# Altium PCB LoRaWAN_Node_Ver2.PcbDoc (continued)
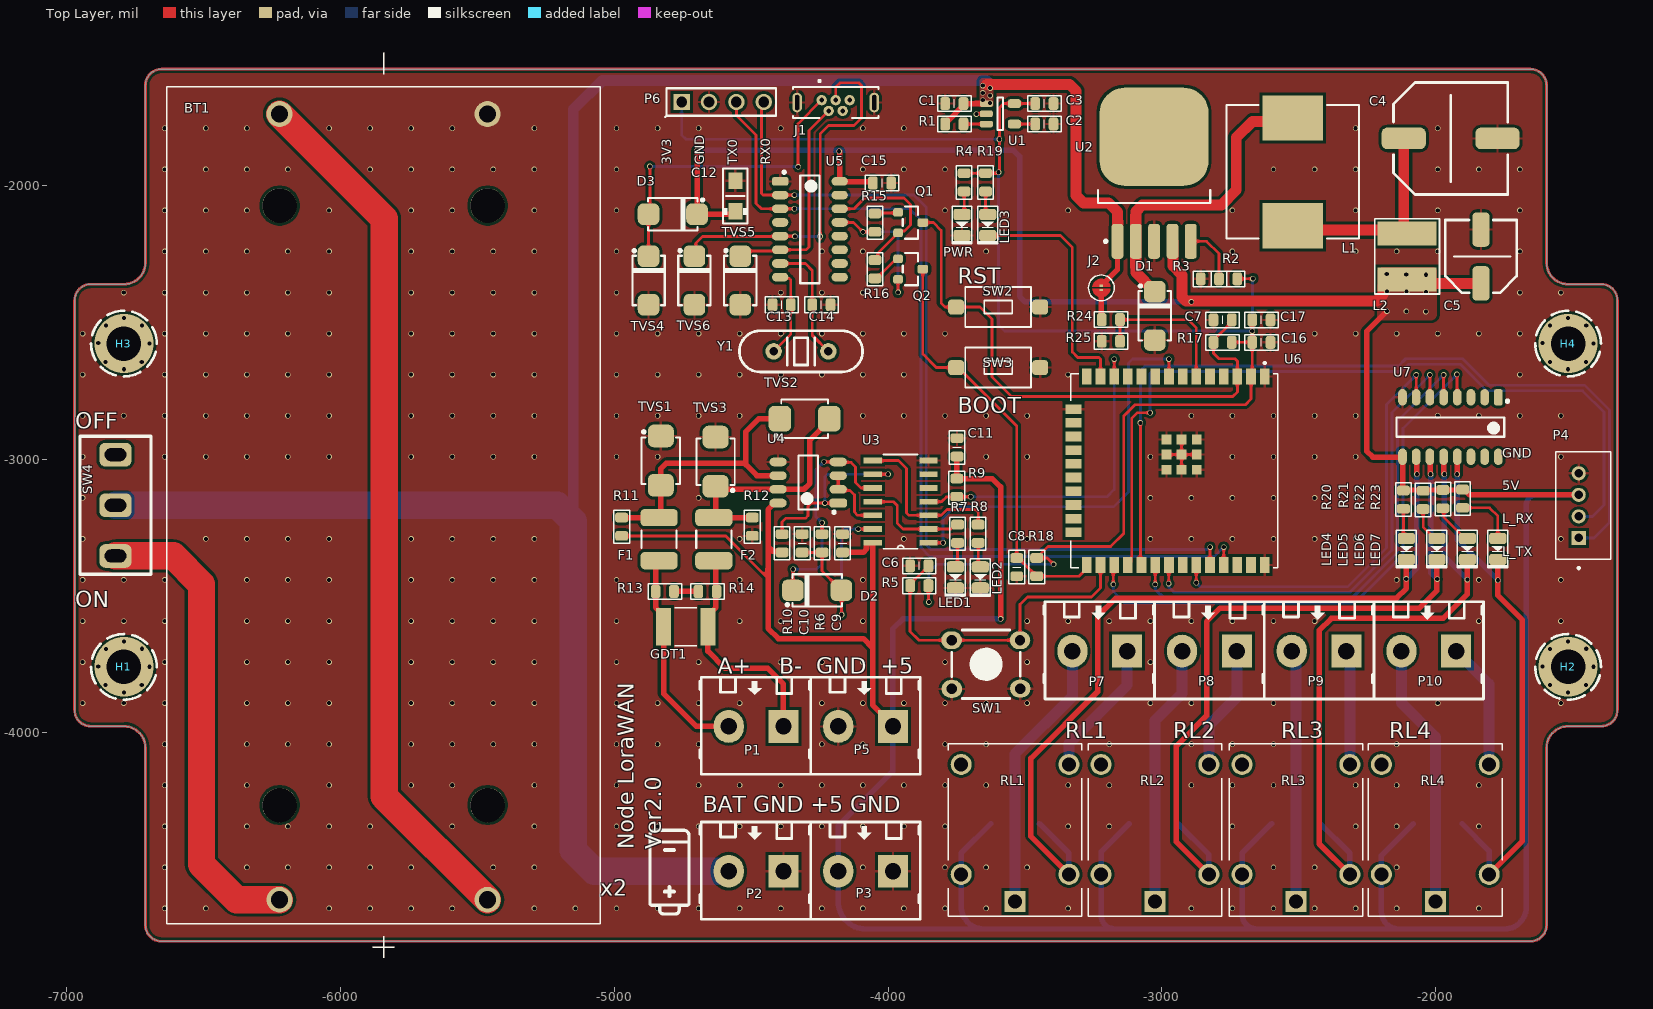
[diagram p0: Top Layer view]
## Footprints (in the part's own frame and the unit in brackets; to place one, negate y for a bottom-side part, rotate by r counter-clockwise, add the part's x,y. Pads: shape width x height; smd on the part's side, far side on the other; paste and mask are expansions set on the pad) (continued)
  silkscreen extent -10.1,-9.6 9,9.6, body extent -9,-9.6 9,9.6, height 3.35

## Part data
BT1: "Battery Holder (Open) 18650 2 Cell PC Pin", Package=None, Availability=Unavailable, MP=BK-18650-PC4, Price=None
C1 C2 C3 C6 C7 C8 C9 C10 C11 C13 C14 C15 C16 C17: library part "Capacitor NP", "Capacitor non-pol"
C4 C5 C12: library part Capacitor, "Capacitor pol"
D1: "Schottky Diode", Code_JEDEC=DO-214-AA, LatestRevisionDate=17-Jul-2002, LatestRevisionNote="Re-released for DXP Platform.", PackageReference=SMB, Published=8-Jun-2000, Publisher="Altium Limited"
D2 D4 D5 D6 D7: "Default Diode", Code_JEDEC=DO-214-AB, LatestRevisionDate=17-Jul-2002, LatestRevisionNote="Re-released for DXP Platform.", PackageReference=SMC, PackageVersion=Sep-1996, Published=8-Jun-2000, Publisher="Altium Limited"
D3: library part Diode, "Default Diode", Code_JEDEC=DO-214-AB, LatestRevisionDate=17-Jul-2002, LatestRevisionNote="Re-released for DXP Platform.", PackageReference=SMC, PackageVersion=Sep-1996, Published=8-Jun-2000, Publisher="Altium Limited"
F1 F2: library part Fuse, "Fuse"
H1 H2 H3 H4: "Header, 1-Pin", LatestRevisionDate=17-Jul-2002, LatestRevisionNote="Re-released for DXP Platform.", Publisher="Altium Limited"
J1: "USB - micro B USB 2.0 Receptacle Connector 5 Position Through Hole", Package=None, Availability=Unavailable, MP=USB3131-30-0230-A_REVB, Price=None
L1 L2: library part Inductor, "Inductor"
LED1 LED2 LED3 LED4 LED5 LED6 LED7 PWR: "Typical LED"
P1 P2 P3 P5 P7 P8 P9 P10: "Header, 2-Pin", LatestRevisionDate=17-Jul-2002, LatestRevisionNote="Re-released for DXP Platform.", Publisher="Altium Limited"
P4: Package=None, Arrow_Electronics-Purchase-URL=https://snapeda.com/shop?store=Arrow+Electronics&id=583576, Availability=Good, Check_prices=https://www.snapeda.com/parts/110990030/Seeed%20Technology%20Co.,%20Ltd/view-part/583576/?ref=eda, MF="Seeed Technology", Mouser-Purchase-URL=https://snapeda.com/shop?store=Mouser&id=583576, MP=110990030, Price=None, SnapEDA_Link=https://www.snapeda.com/parts/110990030/Seeed%20Technology%20Co.,%20Ltd/view-part/583576/?ref=snap
P6: "Header, 4-Pin"
Q1 Q2: library part "Transistor NPN", "NPN Bipolar Transistor"
R1 R2 R3 R4 R5 R6 R7 R8 R9 R10 R11 R12 R13 R14 R15 R16 R17 R18 R19 R20 R21 R22 R23 R24 R25: library part Resistor, "Resistor", LatestRevisionDate=17-Jul-2002, LatestRevisionNote="Re-released for DXP Platform.", PackageReference=AXIAL-0.3, Published=8-Jun-2000, Publisher="Altium Limited"
RL1 RL2 RL3 RL4: Package=Package, Check_prices=https://www.snapeda.com/parts/SRA-05VDC-CL/Songle+Relay/view-part/?ref=eda, MF="Songle Relay", MP=SRA-05VDC-CL, SnapEDA_Link=https://www.snapeda.com/parts/SRA-05VDC-CL/Songle+Relay/view-part/?ref=snap
SW1: library part "SW SPST-4", "Tact switch 4 pin"
SW2 SW3: library part "SW SPST", "Tact switch 2 pin"
TVS1 TVS2 TVS3 TVS4 TVS5 TVS6: library part "Diode TVS Bi-Dir", "Bi-directional TVS Diode", LatestRevisionDate=17-Jul-2002, LatestRevisionNote="Re-released for DXP Platform.", PackageReference=DIODE-0.7, Published=8-Jun-2000, Publisher="Altium Limited"
U1: "LP2985 150-mA, Low-noise 30 μV(RMS) With 10-nF Bypass Capacitor, Low-dropout Regulator 280mV@150mA, With Shutdown 0.01μA Typ"
U2: library part LM2576/96, "SIMPLE SWITCHER® 3A Step-Down Voltage Regulator"
U3: "Inverter IC 6 Channel Schmitt Trigger 14-SOIC", Package="SO14-14 Nexperia USA Inc.", Availability="In Stock", Check_prices=https://www.snapeda.com/parts/74HC14D/Toshiba+Semiconductor+and+Storage/view-part/?ref=eda, MF=Toshiba, MP=74HC14D, Price=None, Purchase-URL=https://pricing.snapeda.com/search/part/74HC14D/?ref=eda, SnapEDA_Link=https://www.snapeda.com/parts/74HC14D/Toshiba+Semiconductor+and+Storage/view-part/?ref=snap
U4: "SP485 Series 5 Mbps 5 V Low Power Half Duplex RS-485 Transceiver - NSOIC-8", Package="SOIC-8 Exar", Availability="In Stock", Check_prices=https://www.snapeda.com/parts/SP485EN-L/MaxLinear%252C+Inc./view-part/?ref=eda, MF="MaxLinear, Inc.", MP=SP485EN-L, Price=None, Purchase-URL=https://pricing.snapeda.com/search/part/SP485EN-L/?ref=eda, SnapEDA_Link=https://www.snapeda.com/parts/SP485EN-L/MaxLinear%252C+Inc./view-part/?ref=snap
U6: "Bluetooth, WiFi 802.11b/g/n, Bluetooth v4.2 +EDR, Class 1, 2 and 3 Transceiver Module 2.4GHz ~ 2.5GHz Antenna Not Included, U.FL Surface Mount", Package="NON STANDARD-39 Espressif", Check_prices=https://www.snapeda.com/parts/ESP32-WROOM-32U/Espressif+Systems/view-part/?ref=eda, MF="Espressif Systems", MP=ESP32-WROOM-32U, SnapEDA_Link=https://www.snapeda.com/parts/ESP32-WROOM-32U/Espressif+Systems/view-part/?ref=snap
U7: "High-voltage, high-current Darlington transistor arrays"
Y1: library part Crystal

## Via types
v1: diameter 20, hole 15, Top Layer to Bottom Layer, tented both sides, 495 vias
v2: diameter 216.54, hole 125.98, Top Layer to Bottom Layer, 4 vias
v3: diameter 20, hole 15, Top Layer to Bottom Layer, 1 vias

## Nets (pads, with @x,y where several pads share a name; then routed paths per layer and width w, separated by ;. In a path a pad name is that pad's centre, name@x,y a point inside that pad or via, vN(x,y) a via of type N, cw(c..) or ccw(c..) an arc to the next point about the centre after c; other vN are vias at no path point)
+3.3: C3.1 C16.1 C17.1 P6.1 R2.1 R4.2 R5.2 R17.2 R18.2 R19.2 U1.5 U6.2 | length 5866.1
  Top Layer w10: v1@-3852.54,-3522 R5.2 ; R4.2 R19.2 v1@-3602.07,-1955.07 ; v1@-3593,-1946 v1(-3593,-1831) -3593,-1716 -3577.74,-1700.74 U1.5 C3.1 ; R18.2 R18.2@-3453.18,-3360.54 ; v1(-3395,-3384) -3418.46,-3360.54 R18.2@-3453.18,-3360.54 ; R17.2 C16.1 ; R2.1 -2723.5,-2340.5 -2667.5,-2340.5 v1(-2667,-2340) ; C17.1 v1(-2669.72,-2531.91) C16.1 ; R18.2@-3453.18,-3360.54 -3440.76,-3348.11 -3440.76,-3344.3 -3415.23,-3318.77 -3186.77,-3318.77 -3139,-3271 -3139,-2842 -3098,-2801 -2695,-2801 -2673.9,-2779.9 U6.2 -2669.72,-2693.34 C16.1
  Bottom Layer w10: P6.1 -4754,-1815 -4738,-1831 v1(-3593,-1831) ; v1(-3851,-3522) -3851,-3413 -3822,-3384 v1(-3395,-3384) ; v1(-3596.29,-1951.61) -3596.29,-2509.71 -3574.09,-2531.91 v1(-2669.72,-2531.91) -2668.36,-2530.54 -2668.36,-2341.36 v1(-2667,-2340)
+5: C5.1 C9.2 C11.1 C12.1 C15.2 D3.1 D4.1 D5.1 D6.1 D7.1 L2.2 P3.2 P4.3 P5.1 R9.2 R10.2 R11.2 R20.2 R21.2 R22.2 R23.2 RL1.COIL1 RL2.COIL1 RL3.COIL1 RL4.COIL1 U2.4 U3.14 U4.8 U5.16 U7.9 | length 16553.4
  Top Layer w10: R11.2 -4593.01,-3279.99 -4438,-3435
  Top Layer w20: v1(-4697.67,-1872) -4697.83,-1872.17 D3.1 -4568.44,-2105 C12.1 ; U4.8 -4414.35,-3159.94 -4438,-3183.59 -4438,-3318 ; R10.2 -4391.99,-3335.42 -4420.58,-3335.42 -4438,-3318 ; v1(-4179,-1875) -4176.68,-1877.32 U5.16 -4174.48,-1987.2 -4059.26,-1987.2 C15.2 ; C9.2 -4090.42,-3340.41 -4078.71,-3328.69 -4078.71,-3305.44 -4078.21,-3304.94 U3.14 -4056.03,-3689 ; P5.1 -3982,-3971 -4056.03,-3896.97 -4056.03,-3689 ; C11.1 -3748.5,-2990.43 -3748.5,-3070.04 R9.2 -3619.46,-3070.54 -3589,-3101 v1(-3589,-3583) ; v1(-2178,-2459) -2252,-2533 -2252,-2970 -2229.35,-2992.66 -2119.11,-2992.66 -2119.11,-3112.58 R20.2 -2115.71,-3112.35 -1902.82,-3112.35 R23.2 -1895.09,-3110.54 R23.2@-1887.38,-3118.25 ; R23.2@-1887.38,-3118.28 -1875.66,-3130 P4.3 ; -4438,-3318 -4438,-3435 -4438,-3618 -4401,-3655 -4090.03,-3655 -4056.03,-3689
  Top Layer w40: U2.4 -2959.69,-2205.35 -2959.69,-2293.31 -2926,-2327 -2926,-2408 -2912,-2422 -2215.7,-2422 -2192.27,-2398.57 -2192.27,-2367.29 -2167.98,-2343 L2.2 -2089.24,-2357.76 C5.1
  Bottom Layer w20: v1(-4697.67,-1872) v1@-4179,-1872 ; v1(-4179,-1875) -4176,-1872 -3541,-1872 -3519,-1894 -3519,-2405 -3499,-2425 v1(-2892,-2425) ; D4.1 -3732.85,-4439.27 RL1.COIL1 -3732.85,-4633.15 ccw(c-3650,-4633.15) -3650,-4716 ; v1(-3589,-3583) -3946,-3583 -3982,-3619 P5.1 -3982,-4139 -4182,-4339 P3.2 -4182,-4616 ccw(c-4082,-4616) -4082,-4716 -3650,-4716 ; D5.1 -3221.85,-4433.93 RL2.COIL1 -3221.85,-4665.15 ccw(c-3171,-4665.15) -3171,-4716 ; D6.1 -2706.85,-4439.27 RL3.COIL1 -2706.85,-4662.15 ccw(c-2653,-4662.15) -2653,-4716 ; D7.1 -2197.61,-4448.03 -2197.61,-4516.18 RL4.COIL1 -2197.85,-4653.15 ccw(c-2135,-4653.15) -2135,-4716 ; P4.3 -1631,-3130 ccw(c-1631,-3168) -1669,-3168 -1669,-4637 cw(c-1748,-4637) -1748,-4716 -2135,-4716 ; -3650,-4716 -3171,-4716 ; -3171,-4716 -2653,-4716 ; -2653,-4716 -2135,-4716
  other v1: -2035,-2461 -2106.5,-2460 -2034.5,-2389 -2106,-2388 -2177.5,-2387 -2035.5,-2326 -2107,-2325 -2178.5,-2324
BAT_LEVEL: R24.1 R25.2 U6.6 | length 547.5
  Top Layer w10: R25.2 R24.1 -2904,-2490 -2873.9,-2520.1 U6.6
BATTERY: J2.2 R24.2 | length 99.8
  Top Layer w10: R24.2@-3221.12,-2488.34 R24.2
  Top Layer w20: R24.2@-3221.12,-2488.34 -3221.12,-2390.87
BT1: C6.1 R5.1 SW1.1 SW1.4 U6.26 | length 1218.1
  Top Layer w10: C6.1 -3852.54,-3393.27 -3864.96,-3405.7 -3869.07,-3405.7 -3919.46,-3456.09 R5.1 -3919.46,-3629.54 -3888,-3661 SW1.4 SW1.1 -3518,-3530 -3491,-3503 -3257,-3503 -3223.9,-3469.9 U6.26
CH340_DTR: Q2.2 R15.2 U5.13 | length 533.1
  Top Layer w10: U5.13 -4126,-2135 v1(-4091.54,-2169.46) R15.2 ; v1(-3963.55,-2390.45) Q2.2
  Bottom Layer w10: v1(-4091.54,-2169.46) -3974.54,-2169.46 -3963.55,-2180.45 v1(-3963.55,-2390.45)
CH340_RTS: Q1.2 R16.2 U5.14 | length 551.2
  Top Layer w10: U5.14 -4124,-2085 -4085,-2046 -3942,-2046 -3918,-2070 -3918,-2144 -3940.18,-2166.18 -3956.86,-2166.18 Q1.2 -3963.96,-2172.87 -3974.49,-2183.4 -3974.49,-2183.81 -4036.93,-2246.25 -4036.93,-2261.46 R16.2
ENA_POWER: R2.2 R3.1 U2.5 | length 214.3
  Top Layer w10: U2.5@-2894.3,-2204.13 U2.5 -2836.03,-2203.97 -2790.93,-2249.07 R2.2 R3.1@-2790.77,-2340.84
ESP_FLASH: C8.1 Q2.3 R18.1 SW3.1 U6.25 | length 1554.4
  Top Layer w10: Q2.3 -3873,-2616 -3824,-2665 -3744.82,-2665 -3723.98,-2685.84 -3722.16,-2685.84 -3530,-2878 C8.1 -3524.09,-3360.54 -3473.24,-3411.39 -3473.24,-3415.04 -3460.82,-3427.46 R18.1 -3303.06,-3427.46 -3273.9,-3398.3 U6.25
ESP_RST: C7.1 Q1.3 R17.1 SW2.1 U6.3 | length 2060.3
  Top Layer w10: Q1.3 -3834.53,-2135.47 -3806,-2164 -3806,-2430 -3792,-2444 SW2.1 -3664,-2444 -3620,-2488 -3620,-2700 -3549,-2771 -2741,-2771 -2723.9,-2753.9 U6.3 -2723.9,-2642.1 -2733,-2633 -2791,-2633 -2811.26,-2612.74 R17.1 -2811.26,-2565.37 -2744.33,-2498.44 C7.1
ESP_RX0: P6.4 U5.2 U6.34 | length 3306
  Top Layer w10: P6.4 -4462,-1703 -4462,-2029.14 -4456.14,-2035 U5.2 v1(-4342,-2035) ; U6.34 v1(-2823.9,-3320.9)
  Bottom Layer w10: v1(-4342,-2035) -3906,-2035 -3860,-2081 -3860,-3314 -3844.06,-3329.94 -2834.76,-3329.94 -2825.71,-3320.9 v1(-2823.9,-3320.9)
ESP_TX0: P6.3 U5.3 U6.35 | length 3423.7
  Top Layer w10: P6.3 -4554,-1744 -4482,-1816 -4482,-2066 -4463,-2085 U5.3 v1(-4342,-2085) ; U6.35 v1(-2773.9,-3320.9)
  Bottom Layer w10: v1(-4342,-2085) -3921,-2085 -3880,-2126 -3880,-3323 -3848,-3355 -2808,-3355 v1(-2773.9,-3320.9)
GND: BT1.2- C1.2 C2.2 C3.2 C4.2 C5.2 C6.2 C7.2 C8.2 C9.1 C10.1 C11.2 C12.2 C13.2 C14.2 C15.1 C16.2 C17.2 D1.2 J1.5 J1.S1 J1.S2 LED1.1 LED2.1 P2.1 P3.1 P4.4 P5.2 P6.2 PWR.1 R3.2 R12.1 R25.1 SW1.2 SW1.3 SW2.2 SW3.2 TVS1.1 TVS3.2 TVS4.2 TVS5.2 TVS6.2 U1.2 U2.3 U3.7 U4.5 U5.1 U6.1 U6.15 U6.38 U6.39_1 U6.39_2 U6.39_3 U6.39_4 U6.39_5 U6.39_6 U6.39_7 U6.39_8 U6.39_9 U7.8 | length 256.8
  Top Layer w10: v3(-3677,-1739) -3676.14,-1738.14 U1.2 ; U6.39_8 U6.39_5 ; U6.39_6 U6.39_5 ; U6.39_4 U6.39_5 ; U6.39_2 U6.39_5
  other v1: -6642,-4641 -6492,-4641 -6042,-4641 -5892,-4641 -5742,-4641 -5592,-4641 -5292,-4641 -5142,-4641 -4992,-4641 -4842,-4641 -4692,-4641 -4542,-4641 -4392,-4641 -4242,-4641 -4092,-4641 -3942,-4641 -3792,-4641 -3642,-4641 -3342,-4641 -2892,-4641 -2742,-4641 -2592,-4641 -2442,-4641 -2292,-4641 -2142,-4641 -1842,-4641 -6642,-4491 -6342,-4491 -6192,-4491 -6042,-4491 -5892,-4491 -5742,-4491 -5442,-4491 -5292,-4491 -4092,-4491 -3792,-4491 -3642,-4491 -3492,-4491 -2592,-4491 -2442,-4491 -2142,-4491 -6642,-4341 -6342,-4341 -6192,-4341 -6042,-4341 -5892,-4341 -5592,-4341 -5292,-4341 -4992,-4341 -4842,-4341 -4692,-4341 -4542,-4341 -4392,-4341 -4242,-4341 -4092,-4341 -3942,-4341 -3792,-4341 -3342,-4341 -3192,-4341 -2742,-4341 -2292,-4341 -2142,-4341 -1842,-4341 -6642,-4191 -6342,-4191 -6042,-4191 -5742,-4191 -5592,-4191 -5292,-4191 -4992,-4191 -4842,-4191 -4692,-4191 -4542,-4191 -4392,-4191 -4242,-4191 -4092,-4191 -3942,-4191 -3792,-4191 -3642,-4191 -3342,-4191 -3192,-4191 -2892,-4191 -2742,-4191 -2592,-4191 -2292,-4191 -2142,-4191 -1842,-4191 -6642,-4041 -6342,-4041 -6192,-4041 -6042,-4041 -5742,-4041 -5592,-4041 -5442,-4041 -5292,-4041 -4992,-4041 -4842,-4041 -4692,-4041 -4242,-4041 -4092,-4041 -3792,-4041 -3642,-4041 -3192,-4041 -2892,-4041 -2742,-4041 -2592,-4041 -2142,-4041 -6942,-3891 -6792,-3891 -6642,-3891 -6342,-3891 -6192,-3891 -6042,-3891 -5742,-3891 -5592,-3891 -5442,-3891 -5292,-3891 -4992,-3891 -4842,-3891 -4692,-3891 -4542,-3891 -4242,-3891 -4092,-3891 -3942,-3891 -3792,-3891 -3642,-3891 -3492,-3891 -3042,-3891 -2892,-3891 -2592,-3891 -1992,-3891 -1542,-3891 -6942,-3741 -6642,-3741 -6342,-3741 -6192,-3741 -6042,-3741 -5742,-3741 -5592,-3741 -5442,-3741 -5292,-3741 -4992,-3741 -4692,-3741 -4392,-3741 -4242,-3741 -4092,-3741 -3942,-3741 -3792,-3741 -3642,-3741 -3492,-3741 -3042,-3741 -6942,-3591 -6792,-3591 -6642,-3591 -6342,-3591 -6192,-3591 -6042,-3591 -5742,-3591 -5592,-3591 -5442,-3591 -5292,-3591 -4992,-3591 -4542,-3591 -4392,-3591 -4242,-3591 -4092,-3591 -3492,-3591 -3342,-3591 -3192,-3591 -3042,-3591 -2892,-3591 -2742,-3591 -2592,-3591 -2442,-3591 -1842,-3591 -1542,-3591 -6942,-3441 -6792,-3441 -6642,-3441 -6342,-3441 -6192,-3441 -6042,-3441 -5742,-3441 -5592,-3441 -5442,-3441 -5292,-3441 -4992,-3441 -4542,-3441 -4092,-3441 -2142,-3441 -1842,-3441 -1542,-3441 -6942,-3291 -6492,-3291 -6342,-3291 -6192,-3291 -6042,-3291 -5742,-3291 -5592,-3291 -5442,-3291 -5292,-3291 -4542,-3291 -3942,-3291 -3492,-3291 -3042,-3291 -2892,-3291 -2742,-3291 -2592,-3291 -2442,-3291 -2292,-3291 -1542,-3291 -6942,-3141 -4992,-3141 -4692,-3141 -3042,-3141 -2892,-3141 -2742,-3141 -2592,-3141 -2442,-3141 -2292,-3141 -6942,-2991 -6642,-2991 -6492,-2991 -6342,-2991 -6192,-2991 -6042,-2991 -5742,-2991 -5592,-2991 -5442,-2991 -5292,-2991 -4992,-2991 -4842,-2991 -3642,-2991 -3492,-2991 -3042,-2991 -2742,-2991 -2592,-2991 -2442,-2991 -2292,-2991 -1692,-2991 -1542,-2991 -6942,-2841 -6792,-2841 -6642,-2841 -6492,-2841 -6342,-2841 -6192,-2841 -6042,-2841 -5742,-2841 -5592,-2841 -5442,-2841 -5292,-2841 -4992,-2841 -4842,-2841 -4692,-2841 -4542,-2841 -4092,-2841 -3942,-2841 -3792,-2841 -3642,-2841 -3492,-2841 -2892,-2841 -2742,-2841 -2592,-2841 -2442,-2841 -2292,-2841 -1992,-2841 -1842,-2841 -1692,-2841 -1542,-2841 -6942,-2691 -6642,-2691 -6492,-2691 -6342,-2691 -6192,-2691 -6042,-2691 -5742,-2691 -5592,-2691 -5442,-2691 -5292,-2691 -4992,-2691 -4842,-2691 -4692,-2691 -4542,-2691 -4392,-2691 -4242,-2691 -4092,-2691 -3942,-2691 -3342,-2691 -1692,-2691 -6942,-2541 -6642,-2541 -6492,-2541 -6342,-2541 -6192,-2541 -6042,-2541 -5742,-2541 -5592,-2541 -5442,-2541 -5292,-2541 -4992,-2541 -4842,-2541 -4692,-2541 -4542,-2541 -4392,-2541 -4242,-2541 -4092,-2541 -3942,-2541 -3792,-2541 -2442,-2541 -2292,-2541 -2142,-2541 -1992,-2541 -1842,-2541 -1692,-2541 -6792,-2391 -6642,-2391 -6492,-2391 -6342,-2391 -6192,-2391 -6042,-2391 -5742,-2391 -5592,-2391 -5442,-2391 -5292,-2391 -4992,-2391 -4392,-2391 -4242,-2391 -4092,-2391 -3642,-2391 -1692,-2391 -1542,-2391 -6642,-2241 -6492,-2241 -6342,-2241 -6192,-2241 -6042,-2241 -5742,-2241 -5592,-2241 -5442,-2241 -5292,-2241 -4992,-2241 -4242,-2241 -4092,-2241 -3642,-2241 -2742,-2241 -2292,-2241 -2142,-2241 -1992,-2241 -1692,-2241 -6642,-2091 -6492,-2091 -6342,-2091 -6042,-2091 -5742,-2091 -5592,-2091 -5292,-2091 -4992,-2091 -3792,-2091 -3342,-2091 -2742,-2091 -2292,-2091 -1992,-2091 -1692,-2091 -6642,-1941 -6492,-1941 -6342,-1941 -6192,-1941 -5892,-1941 -5742,-1941 -5592,-1941 -5442,-1941 -5292,-1941 -4992,-1941 -4092,-1941 -3942,-1941 -3792,-1941 -2592,-1941 -2442,-1941 -2292,-1941 -1992,-1941 -1842,-1941 -1692,-1941 -6642,-1791 -6492,-1791 -6342,-1791 -6042,-1791 -5892,-1791 -5742,-1791 -5592,-1791 -5292,-1791 -4992,-1791 -4842,-1791 -4692,-1791 -4392,-1791 -4092,-1791 -3942,-1791 -2292,-1791 -1992,-1791
LORA_RX: P4.2 U6.28 | length 2954
  Top Layer w10: U6.28 -3111.18,-3373.77 -3111.18,-3357.28 -3110,-3356.1 -3110,-2851 -3089,-2830 v1(-3043,-2830)
  Bottom Layer w10: v1(-3043,-2830) -3043,-2684.96 -3037.14,-2679.1 -2125.1,-2679.1 -2099,-2653 -1909.28,-2653 -1812.28,-2750 -1463,-2750 -1385,-2828 -1385,-3167 -1426.74,-3208.74 P4.2
LORA_TX: P4.1 U6.29 | length 3067.6
  Top Layer w10: v1(-3078,-2867) -3078,-3382.39 U6.29
  Bottom Layer w10: v1(-3078,-2867) -3078,-2675 -3062.1,-2659.1 -2135.1,-2659.1 -2109,-2633 -1901,-2633 -1804,-2730 -1454.72,-2730 -1365,-2819.72 -1365,-2900 -1365,-3231 -1421.48,-3287.48 P4.1
NetBT1_1+: BT1.1+ SW4.3 | length 1719.2
  Top Layer w100: SW4.3 -6610.77,-3353.23 -6508,-3456 -6508,-4480 -6378.86,-4609.14 BT1.1+
NetBT1_1-: BT1.1- BT1.2+ | length 3184.8
  Top Layer w100: BT1.1- -5840,-2121.9 -5840,-4232.14 BT1.2+
NetC2_1: C2.1 U1.4 | length 76.2
  Top Layer w10: U1.4 C2.1
NetC4_1: C4.1 L1.2 L2.1 | length 747.8
  Top Layer w10: L1.2 L1.2@-2505.43,-2163.42
  Top Layer w40: L1.2@-2505.43,-2163.42 -2116.26,-2163.42 C4.1
NetC10_2: C10.2 D2.2 R6.2 U3.13 | length 750.2
  Top Layer w10: C10.2 R6.2 -4241.03,-3408.39 D2.2 -4170,-3479.42 v1(-4170,-3568) ; v1(-4109.06,-3254.94) U3.13
  Bottom Layer w10: v1(-4170,-3568) -4170,-3266 -4158.94,-3254.94 v1(-4109.06,-3254.94)
NetC13_1: C13.1 U5.8 Y1.1 | length 330
  Top Layer w10: Y1.1 -4355,-2543 -4355,-2345.37 -4361.26,-2339.11 -4389.89,-2339.11 U5.8
NetC14_1: C14.1 U5.7 Y1.2 | length 447.8
  Top Layer w10: U5.7 -4302,-2285 -4276.93,-2310.07 C14.1 -4276.93,-2547.07 Y1.2
NetD1_1: D1.1 L1.1 U2.2 | length 1157.4
  Top Layer w40: D1.1@-3019.58,-2381 D1.1 -3094.93,-2318.49 U2.2 -3094.93,-2094.43 -3071.5,-2071 -2782,-2071 -2728,-2017 -2728,-1825 -2668.8,-1765.8 -2534.66,-1765.8 L1.1
NetD2_1: D2.1 R6.1 U3.10 U4.4 | length 879
  Top Layer w10: D2.1 -4347.58,-3402.58 v1(-4347,-3402) ; R6.1 v1(-4241.03,-3232.03) ; v1(-4234,-3009) -4233.06,-3009.94 U4.4 -4180.51,-3011.46 -4135.54,-3011.46 -4119,-3028 -4119,-3085 -4099.06,-3104.94 U3.10
  Bottom Layer w10: v1(-4347,-3402) -4261,-3402 -4241.03,-3382.03 v1(-4241.03,-3232.03) -4264,-3209.06 -4264,-3039 v1(-4234,-3009)
NetD3_2: D3.2 J1.1 TVS4.1 | length 1153.2
  Top Layer w10: TVS4.1 D3.2 -4870,-2100 v1(-4870,-1930) ; v1(-4328,-1932) -4329,-1931 -4329,-1774.91 J1.1
  Bottom Layer w10: v1(-4870,-1930) -4869,-1931 -4329,-1931 v1(-4328,-1932)
NetLED1_2: LED1.2 R7.1 | length 90.9
  Top Layer w10: LED1.2 -3746.13,-3385.35 R7.1
NetLED2_2: LED2.2 R8.1 | length 90.9
  Top Layer w10: R8.1 -3670.87,-3385.35 LED2.2
NetLED3_1: LED3.1 U6.13 | length 886.4
  Top Layer w10: LED3.1 -3370.35,-2182.65 -3327,-2226 -3327,-2608 -3307,-2628 -3229.76,-2628 -3223.9,-2633.86 U6.13
NetLED3_2: LED3.2 R19.1 | length 87.1
  Top Layer w10: R19.1 -3643.87,-2098.01 LED3.2
NetLED4_2: LED4.2 R20.1 | length 133.8
  Top Layer w10: LED4.2 -2117.52,-3278.63 R20.1 -2114.42,-3181.1 R20.1@-2102,-3193.52
NetLED5_2: LED5.2 R21.1 | length 133.1
  Top Layer w10: R21.1 -2045.35,-3247.41 -2021.69,-3271.08 -2003.13,-3289.63 LED5.2
NetLED6_2: LED6.2 R22.1 | length 152.6
  Top Layer w10: R22.1 -1969.71,-3182.46 -1969.71,-3212.29 -1892.37,-3289.63 LED6.2
NetLED7_2: LED7.2 R23.1 | length 223.1
  Top Layer w10: R23.1 -1802.54,-3177.46 -1772.52,-3207.48 LED7.2
NetP7_1: P7.1 RL1.NO | length 501.9
  Bottom Layer w40: RL1.NO -3339.15,-4038.15 -3126.5,-3825.5 P7.1
NetP7_2: P7.2 RL1.COM | length 1000.6
  Bottom Layer w40: RL1.COM -3536,-4076 -3326.5,-3866.5 P7.2
NetP8_1: P8.1 RL2.NO | length 456.2
  Bottom Layer w40: RL2.NO -2828.15,-3970.15 -2726,-3868 P8.1
NetP8_2: P8.2 RL2.COM | length 954.8
  Bottom Layer w40: RL2.COM -3025,-3955 -2926,-3856 P8.2
NetP9_1: P9.1 RL3.NO | length 419
  Bottom Layer w40: P9.1 -2313.15,-3713.35 RL3.NO
NetP9_2: P9.2 RL3.COM | length 920.3
  Bottom Layer w40: P9.2 -2510,-3716.5 RL3.COM
NetP10_1: P10.1 RL4.NO | length 466.8
  Bottom Layer w40: P10.1 -1925,-3706 -1890,-3741 -1885,-3741 -1804.15,-3821.85 RL4.NO
NetP10_2: P10.2 RL4.COM | length 965.2
  Bottom Layer w40: P10.2 -2125,-3891 -2001,-4015 RL4.COM
NetPWR_2: PWR.2 R4.1 | length 87.1
  Top Layer w10: PWR.2 -3721.96,-2098.01 R4.1
NetQ1_1: Q1.1 R15.1 | length 86.3
  Top Layer w10: R15.1 -4045.77,-2100.3 -3965.79,-2100.3 Q1.1
NetQ2_1: Q2.1 R16.1 | length 114
  Top Layer w10: R16.1 -4042.09,-2339.46 -3979.67,-2277.04 -3972.53,-2277.04 Q2.1
NetR1_1: R1.1 U1.3 | length 83.5
  Top Layer w10: R1.1 U1.3
NetR7_2: R7.2 U3.2 U3.11 | length 395.6
  Top Layer w10: U3.11 -3981.06,-3154.94 -3966,-3170 -3966,-3234 -3945.06,-3254.94 U3.2 -3770.38,-3254.94 -3754.12,-3238.69 R7.2
NetR8_2: R8.2 U3.3 U3.8 | length 620.9
  Top Layer w10: U3.8 -3962.06,-3004.94 -3933,-3034 -3933,-3196 -3924.06,-3204.94 -3805.94,-3204.94 -3785,-3184 -3680,-3184 -3670.87,-3193.13 R8.2
NetR13_2: R13.2 R14.1 | length 89
  Top Layer w20: R13.2 R14.1
NetU3_12: U3.12 U4.2 U4.3 | length 252.3
  Top Layer w10: U4.3 U4.2 -4177.92,-3114.06 -4138.94,-3114.06 -4123,-3130 -4123,-3193 -4111.06,-3204.94 U3.12
RL1: U6.33 U7.7 | length 1583.8
  Top Layer w10: v1(-2874,-3451) -2874,-3386.59 U6.33 ; U7.7 v1(-2070.69,-2691.69)
  Bottom Layer w10: v1(-2874,-3451) -2859,-3466 -2321,-3466 -2179,-3324 -2179,-2800 v1(-2070.69,-2691.69)
RL1_IN: D4.2 LED4.1 RL1.COIL2 U7.10 | length 3070.1
  Top Layer w10: U7.10 U7.10@-2069.35,-2992.42 ; v1@-2069.35,-3053.65 v1(-2068,-3055)
  Top Layer w20: RL1.COIL2 -3478,-4377.57 -3478,-4093 -3234,-3849 -3234,-3573 -3168,-3507 -2142,-3507 -2106.52,-3471.52 LED4.1 ; v1@-2069.35,-3053.65 U7.10@-2069.35,-2992.42
  Bottom Layer w20: D4.2 -3339.15,-4439.27 RL1.COIL2 ; v1(-2107,-3437) -2068,-3398 v1(-2068,-3055)
RL2: U6.31 U7.6 | length 1748.5
  Top Layer w10: v1(-2975,-3454) -2975,-3387.59 U6.31 ; U7.6 v1(-2020.69,-2691.69)
  Bottom Layer w10: v1(-2975,-3454) -2973.82,-3455.18 -2973.82,-3468.18 -2956,-3486 -2325.28,-3486 -2312.72,-3486 -2159,-3332.28 -2159,-3319.72 -2159,-2830 v1(-2020.69,-2691.69)
RL2_IN: D5.2 LED5.1 RL2.COIL2 U7.11 | length 2711.2
  Top Layer w10: U7.11 U7.11@-2019.35,-2992.42 ; v1@-2019.35,-3053.65 v1(-2018,-3055)
  Top Layer w20: RL2.COIL2 -2948,-4396.57 -2948,-4049 -2836,-3937 -2836,-3593 -2787,-3544 -2059,-3544 -1995.19,-3480.19 LED5.1 ; v1@-2019.35,-3053.65 U7.11@-2019.35,-2992.42
  Bottom Layer w20: D5.2 -2828.15,-4444.6 RL2.COIL2 ; v1(-2018,-3055) -2018,-3414 v1(-1994,-3438)
RL3: U6.30 U7.5 | length 1855.5
  Top Layer w10: v1(-3023.9,-3456.9) U6.30 ; U7.5 v1(-1970.69,-2691.69)
  Bottom Layer w10: v1(-3023.9,-3456.9) -3023.9,-3475.1 -2993,-3506 -2317,-3506 -2304.43,-3506 -2139,-3340.57 -2139,-3328 -2139,-2860 v1(-1970.69,-2691.69)
RL3_IN: D6.2 LED6.1 RL3.COIL2 U7.12 | length 2375.2
  Top Layer w10: U7.12 U7.12@-1969.35,-2992.42 ; v1@-1969.35,-3053.65 v1(-1968,-3055)
  Top Layer w20: RL3.COIL2 -2425,-4404.57 -2425,-3625 -2381,-3581 -1972,-3581 -1883.86,-3492.86 v1(-1883.86,-3440) LED6.1 ; v1@-1969.35,-3053.65 U7.12@-1969.35,-2992.42
  Bottom Layer w20: D6.2 -2313.15,-4439.27 RL3.COIL2 ; v1(-1968,-3055) -1968,-3355.86 v1(-1883.86,-3440)
RL4: U6.27 U7.4 | length 2071.7
  Top Layer w10: v1(-3177,-3456.9) -3177,-3389.59 U6.27 ; v1(-1922,-2690) -1921.35,-2690.65 -1921.35,-2773.09 U7.4
  Bottom Layer w10: v1(-3177,-3456.9) -3177,-3483 -3134,-3526 -2296.15,-3526 -2119,-3348.85 -2119,-2887 v1(-1922,-2690)
RL4_IN: D7.2 LED7.1 RL4.COIL2 U7.13 | length 1975.8
  Top Layer w10: v1(-1921.31,-3055) v1@-1921,-3054.69 ; U7.13@-1921,-2991.38 U7.13
  Top Layer w20: v1@-1921,-3054.69 U7.13@-1921,-2991.38 ; RL4.COIL2 -1684,-4396.27 -1684,-3586 -1772.52,-3497.48 v1(-1772.52,-3442) LED7.1
  Bottom Layer w20: v1(-1921.31,-3055) -1921.31,-3293.22 v1(-1772.52,-3442) ; D7.2 -1804.15,-4430.27 RL4.COIL2
RS485_A: F1.2 GDT1.1 P1.2 R13.1 | length 794.5
  Top Layer w20: F1.2 -4848.93,-3383.09 R13.1 -4848.93,-3541.52 -4809.98,-3580.46 GDT1.1@-4809.98,-3612 ; GDT1.1 -4819.98,-3856.02 -4700,-3976 P1.2
RS485_B: F2.2 GDT1.2 P1.1 R14.2 | length 796.1
  Top Layer w20: GDT1.2 -4658.02,-3700.98 -4595,-3764 -4439,-3764 -4382,-3821 P1.1 ; GDT1.2@-4648.02,-3585.99 -4648.02,-3560.46 -4629,-3541.45 -4629,-3377.93 F2.2
RS_RX: U3.1 U6.8 | length 1547.4
  Top Layer w10: U3.1 v1(-3799.06,-3304.94) ; U6.8 v1(-2973.9,-2634.1)
  Bottom Layer w10: v1(-3799.06,-3304.94) -3799.06,-3216.06 -3757,-3174 -3176,-3174 -3122,-3120 -3122,-2649 -3107.1,-2634.1 v1(-2973.9,-2634.1)
RS_TX: R9.1 U3.4 U6.12 | length 1237
  Top Layer w10: U3.4 -3803.94,-3154.94 -3786.46,-3137.46 R9.1 -3698.46,-3137.46 v1(-3698,-3137) ; U6.12 v1(-3173.9,-2633.9)
  Bottom Layer w10: v1(-3698,-3137) -3200,-3137 -3173.9,-3110.9 v1(-3173.9,-2633.9)
SP_A: F1.1 R11.1 TVS1.2 TVS2.1 U4.6 | length 1038.4
  Top Layer w20: R11.1 F1.1 -4830,-3206.68 TVS1.2 -4830,-3034 -4810,-3014 -4525,-3014 -4479.06,-3059.94 U4.6 ; -4519,-3020 -4519,-2899 -4472,-2852 TVS2.1
SP_B: F2.1 R12.2 TVS2.2 TVS3.1 U4.7 | length 868.2
  Top Layer w20: R12.2 -4625,-3213.06 -4630,-3208.06 TVS3.1 -4619.06,-3109.94 U4.7 -4307.94,-3109.94 -4286,-3088 -4286,-2928.91 -4215,-2857.91 TVS2.2
SP_RO: R10.1 U3.9 U4.1 | length 684.7
  Top Layer w10: R10.1 -4387,-3229 -4374,-3216 -4302,-3216 -4292,-3206 -4292,-3172 -4279.94,-3159.94 v1(-4230.94,-3159.94) U4.1 ; U3.9@-4056,-3054.97 v1(-4000,-3055)
  Bottom Layer w10: v1(-4230.94,-3159.94) -4230.94,-3063.94 -4222,-3055 v1(-4000,-3055)
USB_DN: J1.2 TVS5.1 U5.6 | length 792
  Top Layer w10: TVS5.1 -4520.7,-2239.11 -4398.11,-2239.11 U5.6 -4299,-2235 -4289,-2225 -4289,-1799.87 J1.2
USB_DP: J1.3 TVS6.1 U5.5 | length 1346.2
  Top Layer w10: TVS6.1 -4701.91,-2252.82 -4701.91,-2209.91 -4678,-2186 -4395,-2186 U5.5 -4341,-2185 v1(-4340,-2186) ; v1@-4248,-2195.95 -4248,-1812 -4217,-1781 -4124,-1781 -4097,-1754 -4097,-1635 -4107,-1625 -4176,-1625 -4191.25,-1640.25 J1.3
  Bottom Layer w10: v1(-4340,-2186) v1(-4248,-2186)
V_BAT: C1.1 J2.1 P2.2 R1.2 SW4.2 U1.1 U2.1 | length 7953.3
  Top Layer w20: R1.2 -3791.46,-1769.64 -3783.75,-1761.92 -3779.81,-1761.92 -3724.54,-1706.65 C1.1 U1.1 ; -3235.19,-2358.06 -3212.81,-2358.06 -3161.86,-2307.11 U2.1
  Top Layer w40: -3641,-1630.72 -3336.43,-1630.72 -3313,-1654.15 -3313,-2037 -3286,-2064 -3194,-2064 -3161.86,-2096.14 U2.1
  Bottom Layer w20: -5978,-3168.19 -5970.19,-3168.19
  Bottom Layer w40: -5150,-3226.77 -5150,-1723 -5043,-1616 -3642,-1616 -3635,-1623
  Bottom Layer w100: SW4.2 -5978,-3168.19 ; -5970.19,-3168.19 -5208.58,-3168.19 -5150,-3226.77 -5150,-4428 -5073,-4505 P2.2
  other v1: -3627,-1699 -3654,-1688 -3627,-1671.66 -3654,-1661.5 -3627,-1644.32 -3654,-1635
pads on no net: BT1. J1.4 RL1.NC RL2.NC RL3.NC RL4.NC SW4.1 U2.6 U3.5 U3.6 U5.4 U5.9 U5.10 U5.11 U5.12 U5.15 U6.4 U6.5 U6.7 U6.9 U6.10 U6.11 U6.14 U6.16 U6.17 U6.18 U6.19 U6.20 U6.21 U6.22 U6.23 U6.24 U6.32 U6.36 U6.37 U6.40_1 U6.40_2 U6.40_3 U6.40_4 U6.40_5 U6.40_6 U6.40_7 U6.40_8 U6.40_9 U6.40_10 U6.40_11 U6.40_12 U7.1 U7.2 U7.3 U7.14 U7.15 U7.16
copper on no net:
  other v1: -6791.41,-3852.49 -1515.82,-3852.49 -6858.18,-3825.2 -6726.18,-3825.2 -1582.59,-3825.2 -1450.59,-3825.2 -6698.18,-3758.2 -1422.59,-3758.2 -6885.18,-3757.2 -1609.59,-3757.2 -6857.18,-3693.2 -1581.59,-3693.2 -6725.18,-3692.2 -1449.59,-3692.2 -6791.41,-3665.2 -1515.82,-3665.2 -6791.41,-2671.39 -1515.82,-2671.39 -6858.18,-2644.1 -6726.18,-2644.1 -1582.59,-2644.1 -1450.59,-2644.1 -6698.18,-2577.1 -1422.59,-2577.1 -6885.18,-2576.1 -1609.59,-2576.1 -6857.18,-2512.1 -1581.59,-2512.1 -6725.18,-2511.1 -1449.59,-2511.1 -6791.41,-2484.1 -1515.82,-2484.1
  other v2: -6791.41,-3758.52 -1515.82,-3758.52 -6791.41,-2577.42 -1515.82,-2577.42

## Polygon pours and split planes (outlines as drawn)
GND on Top Layer "NONET_L-01_P-001" (solid, remove dead copper, pour order 4): -7211,-1366 -7129,-1448 -1192,-1448 -1192,-4612 -1562,-4982 -7215,-4982
+5 on Top Layer "NONET_L-01_P-001" (solid, pour order 3): -2211.55,-2315 cw(c-2195.55,-2315) -2195.55,-2299 -2010.45,-2299 cw(c-2010.45,-2314) -1995.45,-2314 -1995.45,-2471 cw(c-2016.45,-2471) -2016.45,-2492 -2197.45,-2492 cw(c-2197.45,-2476.95) -2212.5,-2476.95
V_BAT on Top Layer "NONET_L-01_P-001" (solid, pour order 0): -3665,-1618 cw(c-3656,-1618) -3656,-1609 -3624,-1609 cw(c-3624,-1618) -3615,-1618 -3615,-1704 cw(c-3623,-1704) -3623,-1712 -3660,-1712 cw(c-3660,-1707) -3665,-1707
GND on Bottom Layer "NONET_L-01_P-001" (solid, remove dead copper, pour order 5): -7223,-1281 -1623,-1281 -1156,-1748 -1190,-1782 -1190,-4866 -7122,-4866 -7247,-4741
+5 on Bottom Layer "NONET_L-01_P-001" (solid, pour order 2): -2212.09,-2315 cw(c-2196.09,-2315) -2196.09,-2299 -2011,-2299 cw(c-2011,-2314) -1996,-2314 -1996,-2471 cw(c-2017,-2471) -2017,-2492 -2198,-2492 cw(c-2198,-2476.95) -2213.05,-2476.95
V_BAT on Bottom Layer "NONET_L-01_P-001" (solid, pour order 1): -3665,-1619 cw(c-3656,-1619) -3656,-1610 -3624,-1610 cw(c-3624,-1619) -3615,-1619 -3615,-1705 cw(c-3623,-1705) -3623,-1713 -3660,-1713 cw(c-3660,-1708) -3665,-1708

## Other copper
Multi-Layer:
  the board outline again, w10

## Silkscreen, mask and mechanical layers (free items; w line width, h text height)
Top Overlay:
  drawing of 3 lines, arcs and shapes, not listed
  text "3V3 /  / GND /  / TX0 /  / RX0" at -4418.3,-1923.74 h60 r90
  text "RST" at -3744.96,-2378.21 h100
  text "BOOT" at -3744.96,-2851.54 h100
  text "OFF" at -6969.49,-2908.63 h100
  text "GND  /  / 5V /  / L_RX /  / L_TX" at -1756.85,-3366.88 h60
  text "ON" at -6969.49,-3561.63 h100
  text "A+    B-  GND  +5" at -4622,-3803.33 h100
  text "RL1" at -3353.25,-4039 h100
  text "RL2" at -2959.08,-4039 h100
  text "RL3" at -2564.02,-4039 h100
  text "RL4" at -2168.6,-4039 h100
  text "BAT GND +5 GND" at -4677,-4309.51 h100
  text "Node LoraWAN / Ver2.0" at -4808.99,-4423.82 h100 r90
  text "x2" at -5050.99,-4614.57 h100